# Altium PCB Mainboard.PcbDoc (part 1 of 4) (continued)
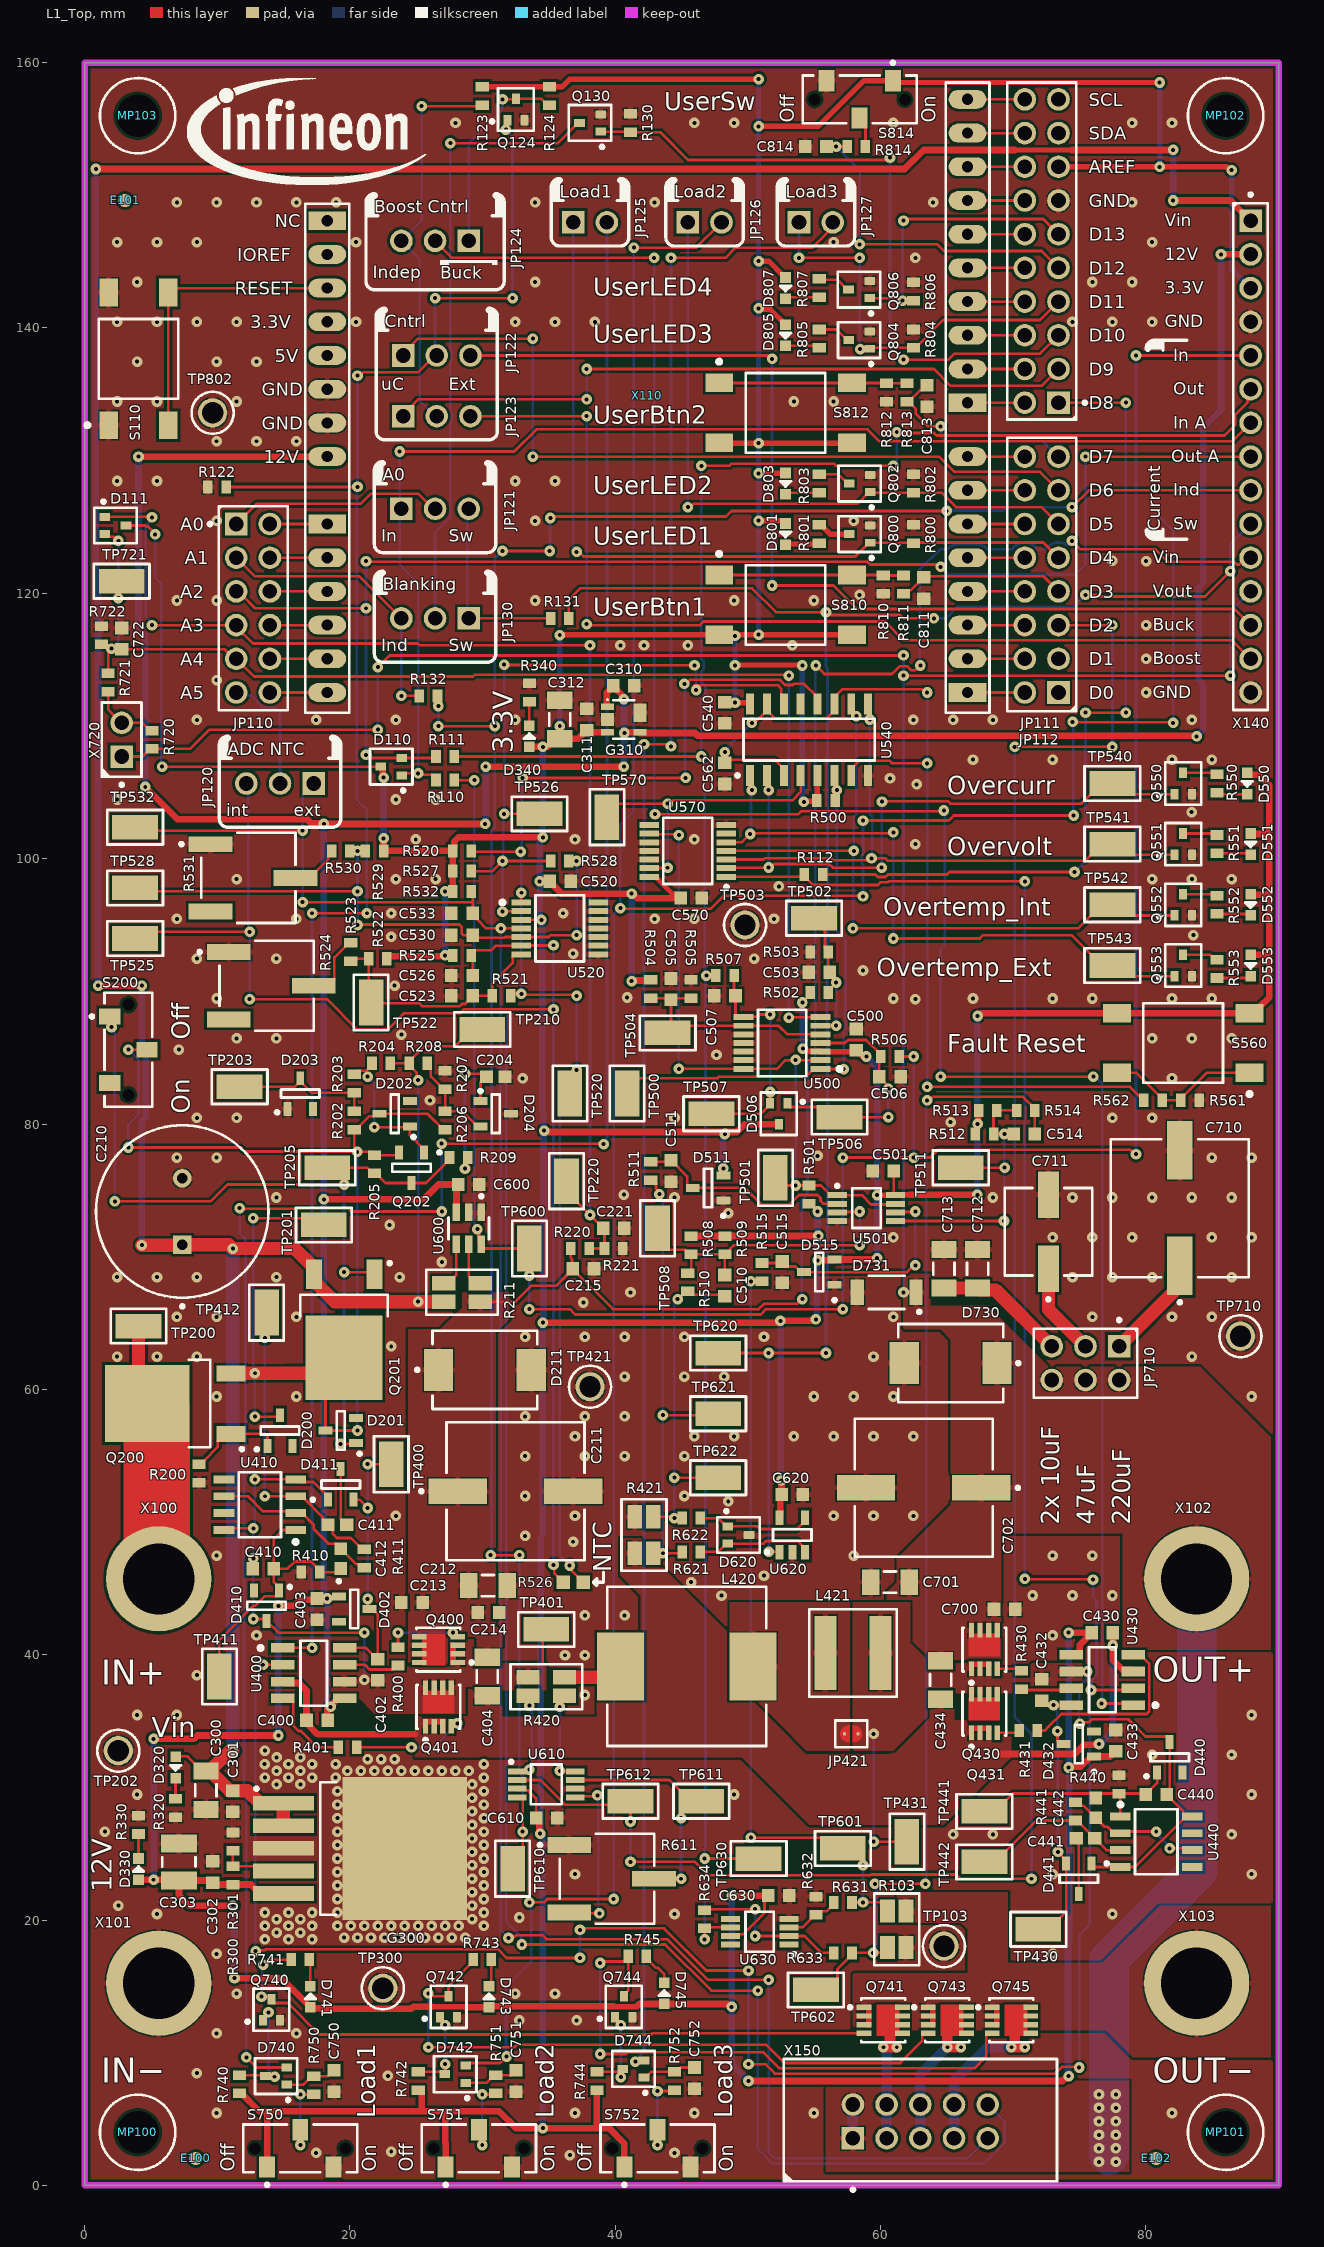
[diagram p0: L1_Top view]
## Components (designator, comment, footprint, x,y, rotation, side; value= is the part's Value field where it differs from the comment) (continued)
D803 "Red" LEDSC160X80X80-2N-1 52.832,128.27 r90 top
D805 "Red" LEDSC160X80X80-2N-1 52.832,139.446 r90 top
D807 "Red" LEDSC160X80X80-2N-1 52.832,143.002 r90 top
E100 "" fiducial 8.382,2.032 r180 top
E101 "" fiducial 3.048,149.606 r90 top
E102 "" fiducial 80.772,2.032 r180 top
G300 "TLE42764GV" TO170P1500X450-6N-V 19.555,25.4 r0 top
G310 "TLS202B1MBV33" PG-SCT595 40.64,110.49 r0 top
JP110 "61301221121" CON-M-THT-61301221121 12.7,118.872 r0 top locked
JP111 "61302021121" CON-M-THT-61302021121 72.136,145.796 r180 top locked
JP112 "61301621121" CON-M-THT-61301621121 72.136,121.412 r180 top locked
JP120 "61300311121" CON-M-THT-61300311121 14.732,105.664 r180 top
JP121 "61300311121" CON-M-THT-61300311121 26.416,126.365 r0 top
JP122 "61300311121" CON-M-THT-61300311121 26.543,137.922 r0 top
JP123 "61300311121" CON-M-THT-61300311121 26.543,133.35 r0 top
JP124 "61300311121" CON-M-THT-61300311121 26.416,146.558 r180 top
JP125 "61300211121" CON-M-THT-61300211121 38.1,147.955 r0 top
JP126 "61300211121" CON-M-THT-61300211121 46.736,147.955 r0 top
JP127 "61300211121" CON-M-THT-61300211121 55.118,147.955 r0 top
JP130 "61300311121" CON-M-THT-61300311121 26.416,118.11 r180 top
JP421 "Solder Jumper 2 Pins" SOLDER_BRIDGE_0.7X1.299PAD 57.785,34.036 r0 top
JP710 "Header 3X2A" CON-M-THT-61300621121 75.438,61.976 r270 top value=61300621121
L420 "22uH" INDM120120X1000N 45.386,39.116 r0 top
L421 "10uH" IND-SMD-SRP6060FA 57.912,40.132 r0 top
MP100 "0082 3 16" "SCREW_0082 3 16_NPTH" 4,4 r90 top
MP101 "0082 3 16" "SCREW_0082 3 16_NPTH" 86,4 r90 top
MP102 "0082 3 16" "SCREW_0082 3 16_NPTH" 86,156 r90 top
MP103 "0082 3 16" "SCREW_0082 3 16_NPTH" 4,156 r90 top
Q124 "BSS816NW" SOT65P210X100-3N-1-V 32.512,156.464 r90 top
Q130 "BSS816NW" SOT65P210X100-3N-1-V 38.1,155.448 r180 top
Q200 "IPD650P06NM" TO228P998X250-3N-V2 7.874,58.928 r180 top
Q201 "IPD650P06NM" TO228P998X250-3N-V2 19.558,65.532 r270 top
Q202 "BSS84PH6327XTSA2" SOT95P240X110-3N-1 24.638,76.708 r270 top
Q400 "igfet_n_ch_enh_dio_1s2s3s4g5d6d7d8d_8p" INF-PG-TSDSON-8-FL 26.67,40.386 r180 top value=BSZ100N06NS
Q401 "igfet_n_ch_enh_dio_1s2s3s4g5d6d7d8d_8p" INF-PG-TSDSON-8-FL 26.67,36.068 r90 top value=BSZ100N06NS
Q430 "igfet_n_ch_enh_dio_1s2s3s4g5d6d7d8d_8p" INF-PG-TSDSON-8-FL 67.818,40.386 r90 top value=BSZ100N06NS
Q431 "igfet_n_ch_enh_dio_1s2s3s4g5d6d7d8d_8p" INF-PG-TSDSON-8-FL 67.818,35.56 r90 top value=BSZ100N06NS
Q550 "BSS816NW" SOT65P210X100-3N-1-V 82.804,105.664 r90 top
Q551 "BSS816NW" SOT65P210X100-3N-1-V 82.804,101.092 r90 top
Q552 "BSS816NW" SOT65P210X100-3N-1-V 82.804,96.52 r90 top
Q553 "BSS816NW" SOT65P210X100-3N-1-V 82.804,91.948 r90 top
Q740 "BSS816NW" SOT65P210X100-3N-1-V 14.082,13.246 r90 top
Q741 "igfet_n_ch_enh_dio_1s2s3s4g5d6d7d8d_8p" INF-PG-TSDSON-8-FL 60.198,12.446 r0 top value=BSZ100N06NS
Q742 "BSS816NW" SOT65P210X100-3N-1-V 27.432,13.462 r90 top
Q743 "igfet_n_ch_enh_dio_1s2s3s4g5d6d7d8d_8p" INF-PG-TSDSON-8-FL 65.024,12.446 r0 top value=BSZ100N06NS
Q744 "BSS816NW" SOT65P210X100-3N-1-V 40.64,13.462 r90 top
Q745 "igfet_n_ch_enh_dio_1s2s3s4g5d6d7d8d_8p" INF-PG-TSDSON-8-FL 69.85,12.446 r0 top value=BSZ100N06NS
Q800 "BSS816NW" SOT65P210X100-3N-1-V 58.42,124.46 r180 top
Q802 "BSS816NW" SOT65P210X100-3N-1-V 58.42,128.27 r180 top
Q804 "BSS816NW" SOT65P210X100-3N-1-V 58.382,139.08 r180 top
Q806 "BSS816NW" SOT65P210X100-3N-1-V 58.374,142.892 r180 top
R103 "15mR" RES-SMD-L4T12 61.214,19.304 r270 top
R110 "47k" RESC1609X50N 27.178,105.918 r0 top
R111 "47k" RESC1609X50N 27.178,107.696 r0 top
R112 "47k" RESC1609X50N 54.936,98.806 r0 top
R122 "100k" RESC1609X50N 9.978,128.016 r0 top
R123 "100k" RESC1609X50N 29.972,157.48 r270 top
R124 "1.3k" RESC1609X50N 35.052,157.48 r90 top
R130 "47k" RESC1609X50N 41.148,155.448 r270 top
R131 "1.3k" RESC1609X50N 35.814,118.11 r0 top
R132 "1.3k" RESC1609X50N 25.908,112.268 r0 top
R200 "47k" RESC1609X50N 8.636,53.666 r90 top
R202 "47k" RESC1609X50N 20.32,80.264 r270 top
R203 "47k" RESC1609X50N 20.32,83.058 r270 top
R204 "2MEG" RESC1609X50N 22.352,84.582 r0 top
R205 "47k" RESC1609X50N 21.844,76.962 r90 top
R206 "64.9k" RESC1609X50N 27.178,80.264 r270 top
R207 "17.8k" RESC1609X50N 27.178,83.312 r270 top
R208 "2MEG" RESC1609X50N 25.146,84.582 r180 top
R209 "47k" RESC1609X50N 28.194,77.47 r180 top
R211 "15mR" RES-SMD-L4T12 28.448,67.31 r180 top
R220 "47k" RESC1609X50N 37.338,70.612 r0 top
R221 "4.7k" RESC1609X50N 39.878,70.612 r180 top
R300 "17.8k" RESC1609X50N 11.176,23.368 r270 top
R301 "4.7k" RESC1609X50N 11.176,25.908 r270 top
R320 "17.8k" RESC1609X50N 6.858,28.448 r90 top
R330 "17.8k" RESC1609X50N 4.064,27.178 r270 top
R340 "2.2k" RESC1609X50N 33.528,112.522 r270 top
R400 "20R" RESC1609X50N 23.622,39.878 r270 top
R401 "20R" RESC1609X50N 19.812,33.02 r180 top
R410 "1.3k" RESC1609X50N 17.018,46.228 r0 top
R411 "47k" RESC1609X50N 21.082,47.244 r270 top
R420 "15mR" RES-SMD-L4T12 34.798,37.592 r0 top
R421 "15mR" RES-SMD-L4T12 42.164,49.022 r90 top
R430 "20R" RESC1609X50N 70.612,38.1 r90 top
R431 "20R" RESC1609X50N 71.12,34.29 r180 top
R440 "1.3k" RESC1609X50N 77.978,30.226 r270 top
R441 "47k" RESC1609X50N 74.676,28.194 r90 top
R500 "17.8k" RESC1609X50N 55.88,104.394 r0 top
R501 "17.8k" RESC1609X50N 54.61,74.676 r270 top
R502 "4.7k" RESC1609X50N 55.372,89.916 r0 top
R503 "47k" RESC1609X50N 55.372,92.964 r180 top
R504 "47k" RESC1609X50N 42.672,90.17 r270 top
R505 "100k" RESC1609X50N 45.72,90.17 r270 top
R506 "2MEG" RESC1609X50N 60.706,85.09 r180 top
R507 "2MEG" RESC1609X50N 48.26,91.186 r0 top
R508 "47k" RESC1609X50N 45.72,70.866 r270 top
R509 "100k" RESC1609X50N 48.26,70.866 r90 top
R510 "4.7k" RESC1609X50N 45.466,68.072 r270 top
R511 "4.7k" RESC1609X50N 42.672,76.454 r90 top
R512 "47k" RESC1609X50N 67.818,79.248 r0 top
R513 "100k" RESC1609X50N 68.072,81.026 r180 top
R514 "4.7k" RESC1609X50N 70.938,81.026 r0 top
R515 "4.7k" RESC1609X50N 51.054,68.834 r90 top
R520 "4.7k" RESC1609X50N 28.448,100.584 r0 top
R521 "47k" RESC1609X50N 31.424,89.662 r0 top
R522 "17.8k" RESC1609X50N 22.098,92.456 r0 top
R523 "4.7k" RESC1609X50N 20.066,92.964 r90 top
R524 "10k" POT-SMD-3361P 14.072,90.424 r0 top
R525 "4.7k" RESC1609X50N 28.448,92.71 r0 top
R526 "10k" RESC1608X95N-1 36.83,45.466 r180 top
R527 "4.7k" RESC1609X50N 28.448,99.06 r0 top
R528 "47k" RESC1609X50N 35.814,99.822 r180 top
R529 "17.8k" RESC1609X50N 21.844,100.584 r0 top
R530 "4.7k" RESC1609X50N 19.304,100.584 r180 top
R531 "10k" POT-SMD-3361P 12.7,98.552 r0 top
R532 "4.7k" RESC1609X50N 28.448,97.536 r0 top
R550 "2.2k" RESC1609X50N 85.344,105.664 r90 top
R551 "2.2k" RESC1609X50N 85.344,101.092 r90 top
R552 "2.2k" RESC1609X50N 85.344,96.52 r90 top
R553 "2.2k" RESC1609X50N 85.344,91.694 r90 top
R561 "4.7k" RESC1609X50N 83.312,81.788 r180 top
R562 "64.9k" RESC1609X50N 80.518,81.788 r180 top
R611 "10k" POT-SMD-3361P 39.726,23.114 r0 top
R621 "17.8k" RESC1609X50N 45.72,47.752 r180 top
R622 "17.8k" RESC1609X50N 45.72,50.292 r180 top
R631 "1.3k" RESC1609X50N 57.15,21.336 r180 top
R632 "64.9k" RESC1609X50N 55.118,21.082 r270 top
R633 "1.3k" RESC1609X50N 57.15,17.526 r180 top
R634 "64.9k" RESC1609X50N 46.736,20.066 r270 top
R720 "20R" RESC1609X50N 5.08,108.966 r270 top
R721 "17.8k" RESC1609X50N 1.778,113.284 r90 top
R722 "1.3k" RESC1609X50N 1.27,116.84 r270 top
R740 "100k" RESC1609X50N 11.684,7.62 r270 top
R741 "17.8k" RESC1609X50N 16.256,17.018 r0 top
R742 "100k" RESC1609X50N 25.146,7.874 r270 top
R743 "17.8k" RESC1609X50N 29.972,17.018 r0 top
R744 "100k" RESC1609X50N 38.608,7.874 r270 top
R745 "17.8k" RESC1609X50N 41.656,17.272 r0 top
R750 "17.8k" RESC1609X50N 17.272,7.548 r270 top
R751 "17.8k" RESC1609X50N 30.988,7.62 r270 top
R752 "17.8k" RESC1609X50N 44.45,7.874 r270 top
R800 "47k" RESC1609X50N 62.484,124.46 r270 top
R801 "2.2k" RESC1609X50N 55.372,124.46 r90 top
R802 "47k" RESC1609X50N 62.484,128.27 r270 top
R803 "2.2k" RESC1609X50N 55.372,128.27 r90 top
R804 "47k" RESC1609X50N 62.484,139.192 r270 top
R805 "2.2k" RESC1609X50N 55.372,139.192 r90 top
R806 "47k" RESC1609X50N 62.484,142.748 r270 top
R807 "2.2k" RESC1609X50N 55.372,143.002 r90 top
R810 "4.7k" RESC1609X50N 60.198,120.65 r90 top
R811 "64.9k" RESC1609X50N 61.722,120.65 r90 top
R812 "4.7k" RESC1609X50N 60.452,135.128 r90 top
R813 "64.9k" RESC1609X50N 61.976,135.128 r90 top
R814 "17.8k" RESC1609X50N 58.166,153.67 r0 top
S110 "1301.9314" SW-SMD-1301.9314 4.064,137.668 r90 top
S200 "CL-SB-12A-01T" SW-SMD-CL-SB-12A-01T 3.302,85.598 r0 top
S560 "1301.9314" SW-SMD-1301.9314 82.804,86.106 r180 top
S750 "CL-SB-12A-01T" SW-SMD-CL-SB-12A-01T 16.256,2.794 r90 top
S751 "CL-SB-12A-01T" SW-SMD-CL-SB-12A-01T 29.718,2.794 r90 top
S752 "CL-SB-12A-01T" SW-SMD-CL-SB-12A-01T 43.18,2.794 r90 top
S810 "1301.9314" SW-SMD-1301.9314 52.832,119.126 r0 top
S812 "1301.9314" SW-SMD-1301.9314 52.832,133.604 r0 top
S814 "CL-SB-12A-01T" SW-SMD-CL-SB-12A-01T 58.42,157.226 r270 top
TP103 "5011" CON-THT-TP-5011 64.77,18.034 r90 top
TP200 "S1751-46R" CON-SMD-TT-S1751-46 4.064,64.77 r180 top
TP201 "S1751-46R" CON-SMD-TT-S1751-46 18.034,72.39 r0 top
TP202 "5011" CON-THT-TP-5011 2.54,32.766 r90 top
TP203 "S1751-46R" CON-SMD-TT-S1751-46 11.684,82.804 r0 top
TP205 "S1751-46R" CON-SMD-TT-S1751-46 18.288,76.708 r180 top
TP210 "S1751-46R" CON-SMD-TT-S1751-46 29.972,87.122 r180 top
TP220 "S1751-46R" CON-SMD-TT-S1751-46 36.322,75.692 r90 top
TP300 "5011" CON-THT-TP-5011 22.479,14.859 r90 top
TP400 "S1751-46R" CON-SMD-TT-S1751-46 23.114,54.356 r90 top
TP401 "S1751-46R" CON-SMD-TT-S1751-46 34.798,41.91 r180 top
TP411 "S1751-46R" CON-SMD-TT-S1751-46 10.16,38.354 r90 top
TP412 "S1751-46R" CON-SMD-TT-S1751-46 13.716,65.786 r270 top
TP421 "5011" CON-THT-TP-5011 38.1,60.198 r90 top
TP430 "S1751-46R" CON-SMD-TT-S1751-46 71.882,19.304 r180 top
TP431 "S1751-46R" CON-SMD-TT-S1751-46 61.976,25.908 r270 top
TP441 "S1751-46R" CON-SMD-TT-S1751-46 67.818,28.194 r0 top
TP442 "S1751-46R" CON-SMD-TT-S1751-46 67.818,24.384 r180 top
TP500 "S1751-46R" CON-SMD-TT-S1751-46 40.894,82.296 r270 top
TP501 "S1751-46R" CON-SMD-TT-S1751-46 52.07,75.946 r270 top
TP502 "S1751-46R" CON-SMD-TT-S1751-46 54.977,95.504 r0 top
TP503 "5011" CON-THT-TP-5011 49.784,94.996 r90 top
TP504 "S1751-46R" CON-SMD-TT-S1751-46 43.942,86.868 r180 top
TP506 "S1751-46R" CON-SMD-TT-S1751-46 56.896,80.518 r180 top
TP507 "S1751-46R" CON-SMD-TT-S1751-46 47.244,80.772 r180 top
TP508 "S1751-46R" CON-SMD-TT-S1751-46 43.18,72.136 r90 top
TP511 "S1751-46R" CON-SMD-TT-S1751-46 66.04,76.708 r180 top
TP520 "S1751-46R" CON-SMD-TT-S1751-46 36.576,82.296 r270 top
TP522 "S1751-46R" CON-SMD-TT-S1751-46 21.59,89.154 r90 top
TP525 "S1751-46R" CON-SMD-TT-S1751-46 3.81,93.98 r180 top
TP526 "S1751-46R" CON-SMD-TT-S1751-46 34.29,103.378 r180 top
TP528 "S1751-46R" CON-SMD-TT-S1751-46 3.81,97.79 r0 top
TP532 "S1751-46R" CON-SMD-TT-S1751-46 3.81,102.362 r0 top
TP540 "S1751-46R" CON-SMD-TT-S1751-46 77.47,105.664 r0 top
TP541 "S1751-46R" CON-SMD-TT-S1751-46 77.47,101.092 r180 top
TP542 "S1751-46R" CON-SMD-TT-S1751-46 77.47,96.52 r180 top
TP543 "S1751-46R" CON-SMD-TT-S1751-46 77.47,91.948 r180 top
TP570 "S1751-46R" CON-SMD-TT-S1751-46 39.37,103.124 r90 top
TP600 "S1751-46R" CON-SMD-TT-S1751-46 33.528,70.612 r90 top
TP601 "S1751-46R" CON-SMD-TT-S1751-46 57.15,25.4 r180 top
TP602 "S1751-46R" CON-SMD-TT-S1751-46 55.118,14.732 r0 top
TP610 "S1751-46R" CON-SMD-TT-S1751-46 32.258,23.876 r90 top
TP611 "S1751-46R" CON-SMD-TT-S1751-46 46.482,28.956 r0 top
TP612 "S1751-46R" CON-SMD-TT-S1751-46 41.148,28.956 r0 top
TP620 "S1751-46R" CON-SMD-TT-S1751-46 47.752,62.738 r180 top
TP621 "S1751-46R" CON-SMD-TT-S1751-46 47.752,58.166 r180 top
TP622 "S1751-46R" CON-SMD-TT-S1751-46 47.752,53.34 r0 top
TP630 "S1751-46R" CON-SMD-TT-S1751-46 50.8,24.638 r180 top
TP710 "5011" CON-THT-TP-5011 87.122,64.008 r90 top
TP721 "S1751-46R" CON-SMD-TT-S1751-46 2.794,120.904 r180 top
TP802 "5011" CON-THT-TP-5011 9.652,133.604 r90 top
U400 "IRS2184SPBF" SOIC127P600X175-8N-12-V 17.272,38.608 r0 top
U410 "ICM7555IBAZ" SOIC127P600X175-8N-12 13.208,51.308 r180 top
U430 "IRS2184SPBF" SOIC127P600X175-8N-12-V 76.708,38.1 r180 top
U440 "ICM7555IBAZ" SOIC127P600X175-8N-12 80.772,25.908 r0 top
U500 "LM339PWR" SOP65P640X120-14N-1 52.578,86.106 r180 top
U501 "MCP6567-E/MS" SOP65P490X110-8N-7-V 58.928,73.66 r0 top
U520 "LM339PWR" SOP65P640X120-14N-1 35.814,94.742 r0 top
U540 "HEF4043BT,653" SOIC127P600X175-16N-6 54.61,108.966 r90 top
U570 "74HC4002PW,118" SOP65P640X110-14N-1 45.466,100.584 r180 top
U600 "MAX4073FAUT+T" SOT95P280X145-6N-2-V 28.956,72.136 r270 top
U610 "MAX40056TAUA+" SOP65P490X110-8N-4 34.798,30.226 r0 top
U620 "INA180A1IDBVR" SOT95P280X145-5N-2 53.34,49.022 r90 top
U630 "TLV197QDGKRQ1" SOP65P490X110-8N-V 50.886,19.121 r180 top
W100 "Net_Tie_2" Net_Tie_Small_2P 31.877,87.376 r90 bottom net-tie value="Net Tie_small_2p"
W500 "Net_Tie_2" Net_Tie_Small_2P 35.814,82.804 r90 bottom net-tie value="Net Tie_small_2p"
X100 "575-8" CON-F-TH-575-6 5.588,45.72 r270 top
X101 "575-8" CON-F-TH-575-6 5.588,15.24 r270 top
X102 "575-8" CON-F-TH-575-6 83.82,45.72 r270 top
X103 "575-8" CON-F-TH-575-6 83.82,15.24 r270 top
X110 "Arduino-Uno" Arduino-Uno 42.418,134.874 r270 top
X140 "61301511121" CON-M-THT-61301511121 87.884,130.302 r0 top
X150 "61201021621" CON-M-THT-61201021621 62.992,4.826 r90 top
X720 "61300211121" CON-M-THT-61300211121 2.794,108.966 r90 top

## Footprints (in the part's own frame and the unit in brackets; to place one, negate y for a bottom-side part, rotate by r counter-clockwise, add the part's x,y. Pads: shape width x height; smd on the part's side, far side on the other; paste and mask are expansions set on the pad)
Arduino-Uno [mm] "Arduino-Uno, THT, 32 Pin, 68.58 mm L X 53.34 mm W X 8.64 mm H body"
  rect 1.422x2.845 hole 0.85 paste+0 mask+0: 1A(-13.208,-24.13) 1B(9.652,-24.13) 1C(0.508,24.13) 1D(22.352,24.13)
  oval 1.422x2.845 hole 0.85 paste+0 mask+0: 2A(-10.668,-24.13) 2B(12.192,-24.13) 2C(-2.032,24.13) 2D(19.812,24.13) 3A(-8.128,-24.13) 3B(14.732,-24.13) 3C(-4.572,24.13) 3D(17.272,24.13) 4A(-5.588,-24.13) 4B(17.272,-24.13) 4C(-7.112,24.13) 4D(14.732,24.13) 5A(-3.048,-24.13) 5B(19.812,-24.13) 5C(-9.652,24.13) 5D(12.192,24.13) 6A(-0.508,-24.13) 6B(22.352,-24.13) 6C(-12.192,24.13) 6D(9.652,24.13) 7A(2.032,-24.13) 7C(-14.732,24.13) 7D(7.112,24.13) 8A(4.572,-24.13) 8C(-17.272,24.13) 8D(4.572,24.13) 9C(-19.812,24.13) 10C(-22.352,24.13)
CAPAE660X770N [mm] "Capacitor,Aluminum Electrolytic;6.60mm L X 6.60mm W X 7.70mm H"
  rect 3.5x1.6 smd paste+0 mask+0: 1(-2.8,0) 2(2.8,0)
  silkscreen extent -5.22,-3.3 3.3,3.3, body extent -3.65,-3.3 3.65,3.3, height 7.7
CAPAE1030X1050N-2 [mm] "Capacitor,Aluminum Electrolytic;10.30mm L X 10.30mm W X 10.50mm H"
  rect 4.4x1.9 smd paste+0 mask+0: 1(-4.35,0) 2(4.35,0)
  silkscreen extent -7.22,-5.2 5.2,5.2, body extent -5.5,-5.15 5.5,5.15, height 10.5
CAPC1608X87N-1 [mm] "Capacitor,non-polarized,Chip;1.60mm L X 0.80mm W X 0.87mm H"
  rect 0.95x0.95 smd paste+0 mask+0: 1(-0.75,0) 2(0.75,0)
  body extent -0.8,-0.4 0.8,0.4, height 0.87
CAPC1608X90N-2 [mm] "Capacitor,non-polarized,Chip;1.60mm L X 0.81mm W X 0.90mm H"
  rect 0.95x1 smd paste+0 mask+0: 1(-0.8,0) 2(0.8,0)
  body extent -0.8,-0.41 0.8,0.41, height 0.9
CAPC1608X90N-4 [mm] "Capacitor,non-polarized,Chip;1.60mm L X 0.80mm W X 0.90mm H"
  rect 1x0.95 smd paste+0 mask+0: 1(-0.7,0) 2(0.7,0)
  body extent -0.8,-0.4 0.8,0.4, height 0.9
CAPC3216X190N-1 [mm] "Capacitor,non-polarized,Chip;3.20mm L X 1.60mm W X 1.90mm H"
  rect 1.3x1.9 smd paste+0 mask+0: 1(-1.45,0) 2(1.45,0)
  silkscreen extent -0.45,-0.8 0.45,0.8, body extent -1.6,-0.8 1.6,0.8, height 1.9
CAPC3225X270N-0 [mm] "Capacitor,non-polarized,Chip;3.20mm L X 2.50mm W X 2.70mm H"
  rect 1.35x2.7 smd paste+0 mask+0: 1(-1.4,0) 2(1.4,0)
  silkscreen extent -0.35,-1.25 0.35,1.25, body extent -1.6,-1.25 1.6,1.25, height 2.7
CAPPRD500W60D1300H2700B [mm] "Capacitor,polarized,Radial;5.00mm C X 0.60mm W 13.00mm Dia X 27.00mm H"
  rect 1.4x1.4 hole 0.8 mask+0: 1(-2.5,0)
  round 1.4 hole 0.8 mask+0: 2(2.5,0)
  silkscreen extent -7.27,-6.5 6.5,6.5, body extent -6.75,-6.75 6.75,6.75, height 27
CON-F-TH-575-6 [mm] "Terminal; 1 pin, 7.92 mm D X 2.51 mm H body"
  round 7.92 hole 5.36 paste+0 mask+0: 1(0,0)
  body extent -3.96,-3.96 3.96,3.96, height 2.36
CON-M-THT-61201021621 [mm] "Connector, THT, 2.54mm Pitch; 10 Pins, 9.10 mm L X 20.36 mm W X 9.25 mm H body"
  rect 1.7x1.7 hole 1.1 paste+0 mask+0: 1(-1.27,5.08)
  round 1.7 hole 1.1 paste+0 mask+0: 2(1.27,5.08) 3(-1.27,2.54) 4(1.27,2.54) 5(-1.27,0) 6(1.27,0) 7(-1.27,-2.54) 8(1.27,-2.54) 9(-1.27,-5.08) 10(1.27,-5.08)
  silkscreen extent -5.27,-10.3 4.7,10.3, body extent -4.46,-10.18 4.71,10.18, height 9.1
CON-M-THT-61300211121 [mm] "Header, Vertical, 2.54mm Pitch; 2 Pins, Single row, 5.08mm L X 2.54mm W X 8.89mm H body"
  rect 1.7x1.7 hole 1.1 paste+0 mask+0: 1(-1.27,0)
  round 1.7 hole 1.1 paste+0 mask+0: 2(1.27,0)
  body extent -2.54,-1.27 2.54,1.27, height 8.54
CON-M-THT-61300311121 [mm] "Connector, THT; 2.54mm pitch, 7.62 mm L X 2.54 mm X 8.89 mm H body"
  rect 1.7x1.7 hole 1.1 paste+0 mask+0: 1(-2.54,0)
  round 1.7 hole 1.1 paste+0 mask+0: 2(0,0) 3(2.54,0)
  body extent -3.81,-1.27 3.81,1.27, height 8.54
CON-M-THT-61300621121 [mm] "Connector, THT, 2.54 mm pitch, 6 pin, 5.08 mm L X 7.62 mm W X 8.89 mm H body"
  rect 1.7x1.7 hole 1.1 paste+0 mask+0: 1(-1.27,2.54)
  round 1.7 hole 1.1 paste+0 mask+0: 2(1.27,2.54) 3(-1.27,0) 4(1.27,0) 5(-1.27,-2.54) 6(1.27,-2.54)
  silkscreen extent -3.37,-3.9 2.6,3.9, body extent -2.54,-3.81 2.54,3.81, height 8.54
CON-M-THT-61301221121 [mm] "Connector, THT, 2.54 mm pitch, 12 pin, 5.08 mm L X 15.24 mm W X 8.89 mm H body"
  rect 1.7x1.7 hole 1.1 paste+0 mask+0: 1(-1.27,6.35)
  round 1.7 hole 1.1 paste+0 mask+0: 2(1.27,6.35) 3(-1.27,3.81) 4(1.27,3.81) 5(-1.27,1.27) 6(1.27,1.27) 7(-1.27,-1.27) 8(1.27,-1.27) 9(-1.27,-3.81) 10(1.27,-3.81) 11(-1.27,-6.35) 12(1.27,-6.35)
  silkscreen extent -3.37,-7.7 2.6,7.7, body extent -2.54,-7.62 2.54,7.62, height 8.54
CON-M-THT-61301511121 [mm] "Connector, THT, 2.54 mm Pitch, 15 pin, 2.54 mm L X 38.10 mm W X 8.89 mm H body"
  rect 1.7x1.7 hole 1.1 paste+0 mask+0: 1(0,17.78)
  round 1.7 hole 1.1 paste+0 mask+0: 2(0,15.24) 3(0,12.7) 4(0,10.16) 5(0,7.62) 6(0,5.08) 7(0,2.54) 8(0,0) 9(0,-2.54) 10(0,-5.08) 11(0,-7.62) 12(0,-10.16) 13(0,-12.7) 14(0,-15.24) 15(0,-17.78)
  silkscreen extent -1.3,-19.1 1.3,19.87, body extent -1.27,-19.05 1.27,19.05, height 8.54
CON-M-THT-61301621121 [mm] "Connector, THT, 2.54 mm pitch, 16 pin, 5.08 mm L X 20.32 mm W X 8.89 mm H body"
  rect 1.7x1.7 hole 1.1 paste+0 mask+0: 1(-1.27,8.89)
  round 1.7 hole 1.1 paste+0 mask+0: 2(1.27,8.89) 3(-1.27,6.35) 4(1.27,6.35) 5(-1.27,3.81) 6(1.27,3.81) 7(-1.27,1.27) 8(1.27,1.27) 9(-1.27,-1.27) 10(1.27,-1.27) 11(-1.27,-3.81) 12(1.27,-3.81) 13(-1.27,-6.35) 14(1.27,-6.35) 15(-1.27,-8.89) 16(1.27,-8.89)
  silkscreen extent -2.6,-10.3 2.6,10.3, body extent -2.54,-10.16 2.54,10.16, height 8.54
CON-M-THT-61302021121 [mm] "Connector, THT, 2.54 mm Pitch, 20 pin, 5.08 mm L X 25.40 mm W X 8.89 mm H body"
  rect 1.7x1.7 hole 1.1 paste+0 mask+0: 1(-1.27,11.43)
  round 1.7 hole 1.1 paste+0 mask+0: 2(1.27,11.43) 3(-1.27,8.89) 4(1.27,8.89) 5(-1.27,6.35) 6(1.27,6.35) 7(-1.27,3.81) 8(1.27,3.81) 9(-1.27,1.27) 10(1.27,1.27) 11(-1.27,-1.27) 12(1.27,-1.27) 13(-1.27,-3.81) 14(1.27,-3.81) 15(-1.27,-6.35) 16(1.27,-6.35) 17(-1.27,-8.89) 18(1.27,-8.89) 19(-1.27,-11.43) 20(1.27,-11.43)
  silkscreen extent -3.38,-12.7 2.6,12.7, body extent -2.54,-12.7 2.54,12.7, height 8.54
CON-SMD-TT-S1751-46 [mm] "Test Terminal, SMD, 3.25mm L X 1.65mm W X 2.15mm H body"
  rect 3.45x1.85 smd paste+0 mask+0: 1(0,0)
  silkscreen extent -2.1,-1.3 2.1,1.3, body extent -1.62,-0.82 1.63,0.82, height 2.05
CON-THT-TP-5011 [mm] "Test Point, 1.78 mm Lead Width, Round, 3.17 mm Dia X 8.28 mm H body"
  round 2.2 hole 1.6 paste+0 mask+0: 1(0,0)
  silkscreen extent -1.58,-1.59 1.58,1.59, body extent -1.59,-1.59 1.59,1.59, height 8.13
DIOM7959X262N [mm] "Diode,Molded Body;7.94mm L X 5.905mm W X 2.62mm H"
  rect 2.2x3.15 smd paste+0 mask+0: 1(-3.5,0) 2(3.5,0)
  silkscreen extent -5.22,-2.95 3.95,2.95, body extent -3.97,-2.95 3.97,2.95, height 2.62
fiducial [mm] "Fiducial Marker For PCB, 1mm"
  round 1 smd paste-0.5 mask+1: 1(0,0)
IND-SMD-SRP6060FA [mm] "Inductor, SMD, 2 pin, 6.40 mm L X 6.60 mm W X 6.00 mm H body"
  rect 1.65x5.6 smd paste+0 mask+0: 1(-2.075,0) 2(2.075,0)
  silkscreen extent -3.3,-3.3 3.3,3.3, body extent -3.2,-3.3 3.2,3.3, height 5.86
INDM120120X1000N [mm] "Inductor,Molded Body;12.00mm L X 12.00mm W X 10.00mm H"
  rect 3.55x5.1 smd paste+0 mask+0: 1(-5,0) 2(5,0)
  silkscreen extent -6,-6 6,6, body extent -6,-6 6,6, height 10.36
INF-PG-TSDSON-8-FL [mm] "SON,0.65mm pitch;8 pin,3.3mm W X 3.3mm L X 1.10mm H body"
  rect 1.1x0.4 smd paste+0 mask+0: 1(-1.45,0.975) 2(-1.45,0.325) 3(-1.45,-0.325) 4(-1.45,-0.975) 5(1.45,-0.975) 6(1.45,-0.325) 7(1.45,0.325) 8(1.45,0.975)
  L1_Top region: 1.212,1.175 -0.497,1.175 -0.497,-1.175 1.212,-1.175
  L1_Top region: -0.9,-0.525 -1.3,-0.525 -1.3,1.175 -0.9,1.175
  silkscreen extent -2.63,-1.65 1.65,1.65, body extent -1.65,-1.65 1.65,1.65, height 1.01
LEDSC160X80X80-2N-1 [mm] "LED,Side Concave; 2 pin,1.60mm W X 0.80mm L X 0.80mm H"
  rect 0.8x0.8 smd paste+0 mask+0: 1(-0.8,0) 2(0.8,0)
  body extent -0.8,-0.4 0.8,0.4, height 0.7
Net_Tie_Small_2P [mm] "SMD Net Tie 0.2mm x 0.6mm"
  round 0.1 smd paste+0 mask+0: 1(-0.245,0) 2(0.245,0)
  L1_Top lines w0.2: -0.2,0 0.2,0
PG-SCT595 [mm] "PG-SCT595, 5-Leads, Body 2.90x2.50mm, Pitch 1.90mm"
  rect 0.95x0.5 smd paste+0 mask+0: 1(-1.225,0.95) 3(-1.225,-0.95) 4(1.225,-0.95)
  rect 0.95x1 smd paste+0 mask+0: 2(-1.225,0)
  rect 0.95x1.4 smd paste+0 mask+0: 5(1.225,0.5)
  silkscreen extent -1.27,-1.45 0.8,1.55, body extent -1.25,-1.45 1.25,1.45, height 1.11
POT-SMD-3361P [mm] "Potentiometer, SMD; 3 pin, 7.04 mm L X 6.71 mm W X 5.84 mm H Body"
  rect 3.3x1.19 smd paste+0 mask+0: 1(-3.2,2.54) 2(3.2,0) 3(-3.2,-2.54)
  silkscreen extent -5.52,-3.4 3.2,3.4, body extent -4.54,-3.35 3.99,3.35, height 5.23
RES-SMD-L4T12 [mm] "Resistor, SMD, 4 pin, 3.00 mm L X 1.60 mm W X 0.65 mm H body"
  rect 1.75x1.1 smd paste+0 mask+0: 1(-1.375,0.7) 2(1.375,0.7) 3(-1.375,-0.7) 4(1.375,-0.7)
  silkscreen extent -2.7,-1.7 2.7,1.7, body extent -1.5,-0.8 1.5,0.8, height 0.65
RESC1608X95N-1 [mm] "Resistor,Chip;1.60mm L X 0.80mm W X 0.95mm H"
  rect 1x1 smd paste+0 mask+0: 1(-0.75,0) 2(0.75,0)
  body extent -0.8,-0.4 0.8,0.4, height 0.95
RESC1609X50N [mm] "Resistor,Chip;1.575mm L X 0.85mm W X 0.50mm H"
  rect 0.72x0.99 smd paste+0 mask+0: 1(-0.69,0) 2(0.69,0)
  body extent -0.79,-0.42 0.79,0.42, height 0.5
"SCREW_0082 3 16_NPTH" [mm] "M3 Cheese Head Screw X 5.68mm Head"
  round 0 hole 3.2 unplated paste+0 mask+0: ""(0,0)
  silkscreen extent -2.84,-2.84 2.84,2.84, body extent -2.84,-2.84 2.84,2.84, height 3
SODFL4725X110N [mm] "SODFL Diode;3.80mm W X 2.5mm L X 1.10mm H body"
  rect 1x1.93 smd paste+0 mask+0: 1(-2.21,0) 2(2.21,0)
  silkscreen extent -2.59,-1.25 1.35,1.59, body extent -2.35,-1.25 2.35,1.25, height 1.1
SOIC127P600X175-8N-12 [mm] "SOIC,1.27mm pitch;8 pin,3.90mm W X 4.90mm L X 1.75mm H body"
  rect 1.55x0.6 smd paste+0 mask+0: 1(-2.7,1.905) 2(-2.7,0.635) 3(-2.7,-0.635) 4(-2.7,-1.905) 5(2.7,-1.905) 6(2.7,-0.635) 7(2.7,0.635) 8(2.7,1.905)
  silkscreen extent -2.85,-2.45 1.6,2.95, body extent -2.99,-2.45 3.02,2.45, height 1.75
SOIC127P600X175-8N-12-V [mm] "SOIC,1.27mm pitch;8 pin,3.90mm W X 4.90mm L X 1.75mm H body"
  rect 1.78x0.72 smd paste+0 mask+0: 1(-2.34,1.905) 2(-2.34,0.635) 3(-2.34,-0.635) 4(-2.34,-1.905) 5(2.34,-1.905) 6(2.34,-0.635) 7(2.34,0.635) 8(2.34,1.905)
  silkscreen extent -4.15,-2.45 1,2.45, body extent -3,-2.45 3,2.45, height 1.76
SOIC127P600X175-16N-6 [mm] "SOIC,1.27mm pitch;16 pin,3.90mm W X 9.90mm L X 1.75mm H body"
  rect 1.6x0.6 smd paste+0 mask+0: 1(-2.7,4.445) 2(-2.7,3.175) 3(-2.7,1.905) 4(-2.7,0.635) 5(-2.7,-0.635) 6(-2.7,-1.905) 7(-2.7,-3.175) 8(-2.7,-4.445) 9(2.7,-4.445) 10(2.7,-3.175) 11(2.7,-1.905) 12(2.7,-0.635) 13(2.7,0.635) 14(2.7,1.905) 15(2.7,3.175) 16(2.7,4.445)
  silkscreen extent -2.82,-4.95 1.57,5.52, body extent -3,-4.95 3,4.95, height 1.75
SOLDER_BRIDGE_0.7X1.299PAD [mil] "Solder Bridge 2 Pins, 0.7X1.299mm Pad, 1.6mm L X 1.2mm W body"
  round 10 smd: 1(-20,0) 2(20,0)
  L1_Top region: -4.97,25.17 -7,25.57 -16.79,23.62 -25.08,18.08 -30.62,9.79 -32.57,0 -30.62,-9.79 -25.08,-18.08 -16.79,-23.62 -7,-25.57 -5.02,-25.18 -5,-25 -5,25
  L1_Top region: 4.97,25.17 7,25.57 16.79,23.62 25.08,18.08 30.62,9.79 32.57,0 30.62,-9.79 25.08,-18.08 16.79,-23.62 7,-25.57 5.02,-25.18 5,-25 5,25
  silkscreen extent -47,-40 47,39
SOP65P490X110-8N-4 [mm] "SOP,0.65mm pitch;8 pin,3.00mm W X 3.00mm L X 1.10mm H body"
  rect 1.4x0.45 smd paste+0 mask+0: 1(-2.2,0.975) 2(-2.2,0.325) 3(-2.2,-0.325) 4(-2.2,-0.975) 5(2.2,-0.975) 6(2.2,-0.325) 7(2.2,0.325) 8(2.2,0.975)
  silkscreen extent -2.77,-1.5 1.17,1.82, body extent -2.45,-1.5 2.45,1.5, height 1.1
SOP65P490X110-8N-7-V [mm] "SOP,0.65mm pitch;8 pin,3.00mm W X 3.00mm L X 1.10mm H body"
  rect 1.45x0.45 smd paste+0 mask+0: 1(-2.2,0.975) 2(-2.2,0.325) 3(-2.2,-0.325) 4(-2.2,-0.975) 5(2.2,-0.975) 6(2.2,-0.325) 7(2.2,0.325) 8(2.2,0.975)
  silkscreen extent -2.32,-1.5 1.08,1.8, body extent -2.45,-1.5 2.45,1.5, height 1.1
SOP65P490X110-8N-V [mm] "SOP,0.65mm pitch;8 pin,3.00mm W X 3.00mm L X 1.10mm H body"
  rect 1.45x0.45 smd paste+0 mask+0.05: 1(-2.2,0.975) 2(-2.2,0.325) 3(-2.2,-0.325) 4(-2.2,-0.975) 5(2.2,-0.975) 6(2.2,-0.325) 7(2.2,0.325) 8(2.2,0.975)
  silkscreen extent -2.73,-1.5 1.07,1.82, body extent -2.45,-1.5 2.45,1.5, height 1.1
SOP65P640X110-14N-1 [mm] "SOP,0.65mm,pitch;14 pin,4.40mm W X 5.00mm L X 1.10mm H body"
  rect 1.45x0.45 smd paste+0 mask+0: 1(-2.9,1.95) 2(-2.9,1.3) 3(-2.9,0.65) 4(-2.9,0) 5(-2.9,-0.65) 6(-2.9,-1.3) 7(-2.9,-1.95) 8(2.9,-1.95) 9(2.9,-1.3) 10(2.9,-0.65) 11(2.9,0) 12(2.9,0.65) 13(2.9,1.3) 14(2.9,1.95)
  silkscreen extent -3.04,-2.5 1.85,2.85, body extent -3.2,-2.5 3.2,2.5, height 1.1
SOP65P640X120-14N-1 [mm] "SOP,0.65mm pitch;14 pin,4.40mm W X 5.00mm L X 1.20mm H body"
  rect 1.5x0.45 smd paste+0 mask+0: 1(-2.9,1.95) 2(-2.9,1.3) 3(-2.9,0.65) 4(-2.9,0) 5(-2.9,-0.65) 6(-2.9,-1.3) 7(-2.9,-1.95) 8(2.9,-1.95) 9(2.9,-1.3) 10(2.9,-0.65) 11(2.9,0) 12(2.9,0.65) 13(2.9,1.3) 14(2.9,1.95)
  silkscreen extent -4.47,-2.5 1.83,2.5, body extent -3.05,-2.5 3.05,2.5, height 1.21
SOT65P210X100-3N-1-V [mm] "SOT,0.65mm pitch;3 pin,1.25mm W X 2.00mm L X 1.00mm H body"
  rect 0.8x0.6 smd paste+0 mask+0: 1(-0.8,0.65) 2(-0.8,-0.65) 3(0.8,0)
  silkscreen extent -1.6,-1.35 1.6,1.92, body extent -1.06,-1.02 1.04,0.98, height 1
SOT95P237X111-3N-1 [mm] "SOT,0.95mm pitch;3 pin,1.30mm W X 2.92mm L X 1.11mm H body"
  rect 1.05x0.6 smd paste+0 mask+0: 1(-1.15,0.95) 2(-1.15,-0.95) 3(1.15,0)
  silkscreen extent -1.54,-1.45 0.3,1.87, body extent -1.2,-1.45 1.2,1.45, height 1
SOT95P237X112-3N-1 [mm] "SOT,0.95mm pitch;3 pin,1.30mm W X 2.92mm L X 1.12mm H body"
  rect 1.05x0.6 smd paste+0 mask+0: 1(-1.15,0.95) 2(-1.15,-0.95) 3(1.15,0)
  silkscreen extent -1.27,-1.45 0.3,1.83, body extent -1.18,-1.46 1.18,1.46, height 1.12
SOT95P240X110-3N-1 [mm] "SOT,0.95mm pitch;3 pin,1.30mm W X 2.90mm L X 1.10mm H body"
  rect 1.05x0.6 smd paste+0 mask+0: 1(-1.15,0.95) 2(-1.15,-0.95) 3(1.15,0)
  silkscreen extent -1.27,-1.45 0.3,2.23, body extent -1.21,-1.45 1.19,1.45, height 1.1
SOT95P280X145-5N-2 [mm] "SOT,0.95mm pitch;5 pin,1.60mm W X 2.90mm L X 1.45mm H body"
  rect 1.1x0.6 smd paste+0 mask+0: 1(-1.3,0.95) 2(-1.3,0) 3(-1.3,-0.95) 4(1.3,-0.95) 5(1.3,0.95)
  silkscreen extent -1.42,-1.45 0.43,2.02, body extent -1.42,-1.46 1.42,1.46, height 1.09
SOT95P280X145-6N-2-V [mm] "SOT,0.95mm pitch;6 pin,1.625mm W X 2.90mm L X 1.45mm H body"
  rect 1.33x0.56 smd paste+0 mask+0: 1(-1.2,0.95) 2(-1.2,0) 3(-1.2,-0.95) 4(1.2,-0.95) 5(1.2,0) 6(1.2,0.95)
  silkscreen extent -2.54,-1.53 0.81,1.53, body extent -1.22,-1.4 1.21,1.4, height 1.09
SW-SMD-1301.9314 [mm] "SMD Switch , 6.00mm L X 6.00mm W X 4.3mm H body"
  rect 2.1x1.4 smd paste+0 mask+0: 1(-5,2.25) 2(5,2.25) 3(-5,-2.25) 4(5,-2.25)
  silkscreen extent -5.15,-3 3,4, body extent -5,-3 5,3, height 4.3
SW-SMD-CL-SB-12A-01T [mm] "Switch, SMD, 3 Pins, 3.50 mm W X 8.50 mm L X 6.10 mm H body"
  rect 1.6x1.2 smd paste+0 mask+0: 1(-1.4,2.5) 2(1.4,0) 3(-1.4,-2.5)
  round 0 hole 0.9 unplated paste+0 mask+0: ""(0,-3.4) ""(0,3.4)
  silkscreen extent -2.87,-4.3 1.8,4.3, body extent -1.75,-4.25 1.75,4.25, height 5.5
TO170P1500X450-6N-V [mm] "TO,1.70mm pitch;5 pin,15.00mm L X 9.25mm W X 4.50mm H body"
  rect 4.6x1.1 smd paste+0 mask+0: 1(-4.575,3.4) 2(-4.575,1.7) 3(-4.575,0) 4(-4.575,-1.7) 5(-4.575,-3.4)
  rect 9.4x10.8 smd paste+0 mask+0: 6(4.575,0)
  silkscreen extent -6.72,-5 -0.6,5, body extent -6.4,-5 8.55,5, height 4.51
TO228P998X250-3N-V2 [mm] "TO,2.28mm pitch;2 pin,9.98mm L X 6.50mm W X 2.50mm H body"
  rect 2.2x1.2 smd paste-0.05 mask+0: 1(-3.15,2.28) 3(-3.15,-2.28)
  rect 6.4x5.8 smd paste-2.9 mask+0: 2(3.15,0)
  silkscreen extent -4.11,-3.3 0,3.55, body extent -3.94,-3.25 6.04,3.25, height 2.36